# Altium PCB Thermostat_EEM.PCBDOC (part 2 of 10)
Units mm, origin at the board's own origin, x right, y up, seen from the top; angles counter-clockwise.
Board outline 162.48 x 100 mm, 4 copper layers (TOP, G1, L2, BOT), stack 1.55 mm thick; 903 components, 476 nets, 2667 pads, 1400 vias.
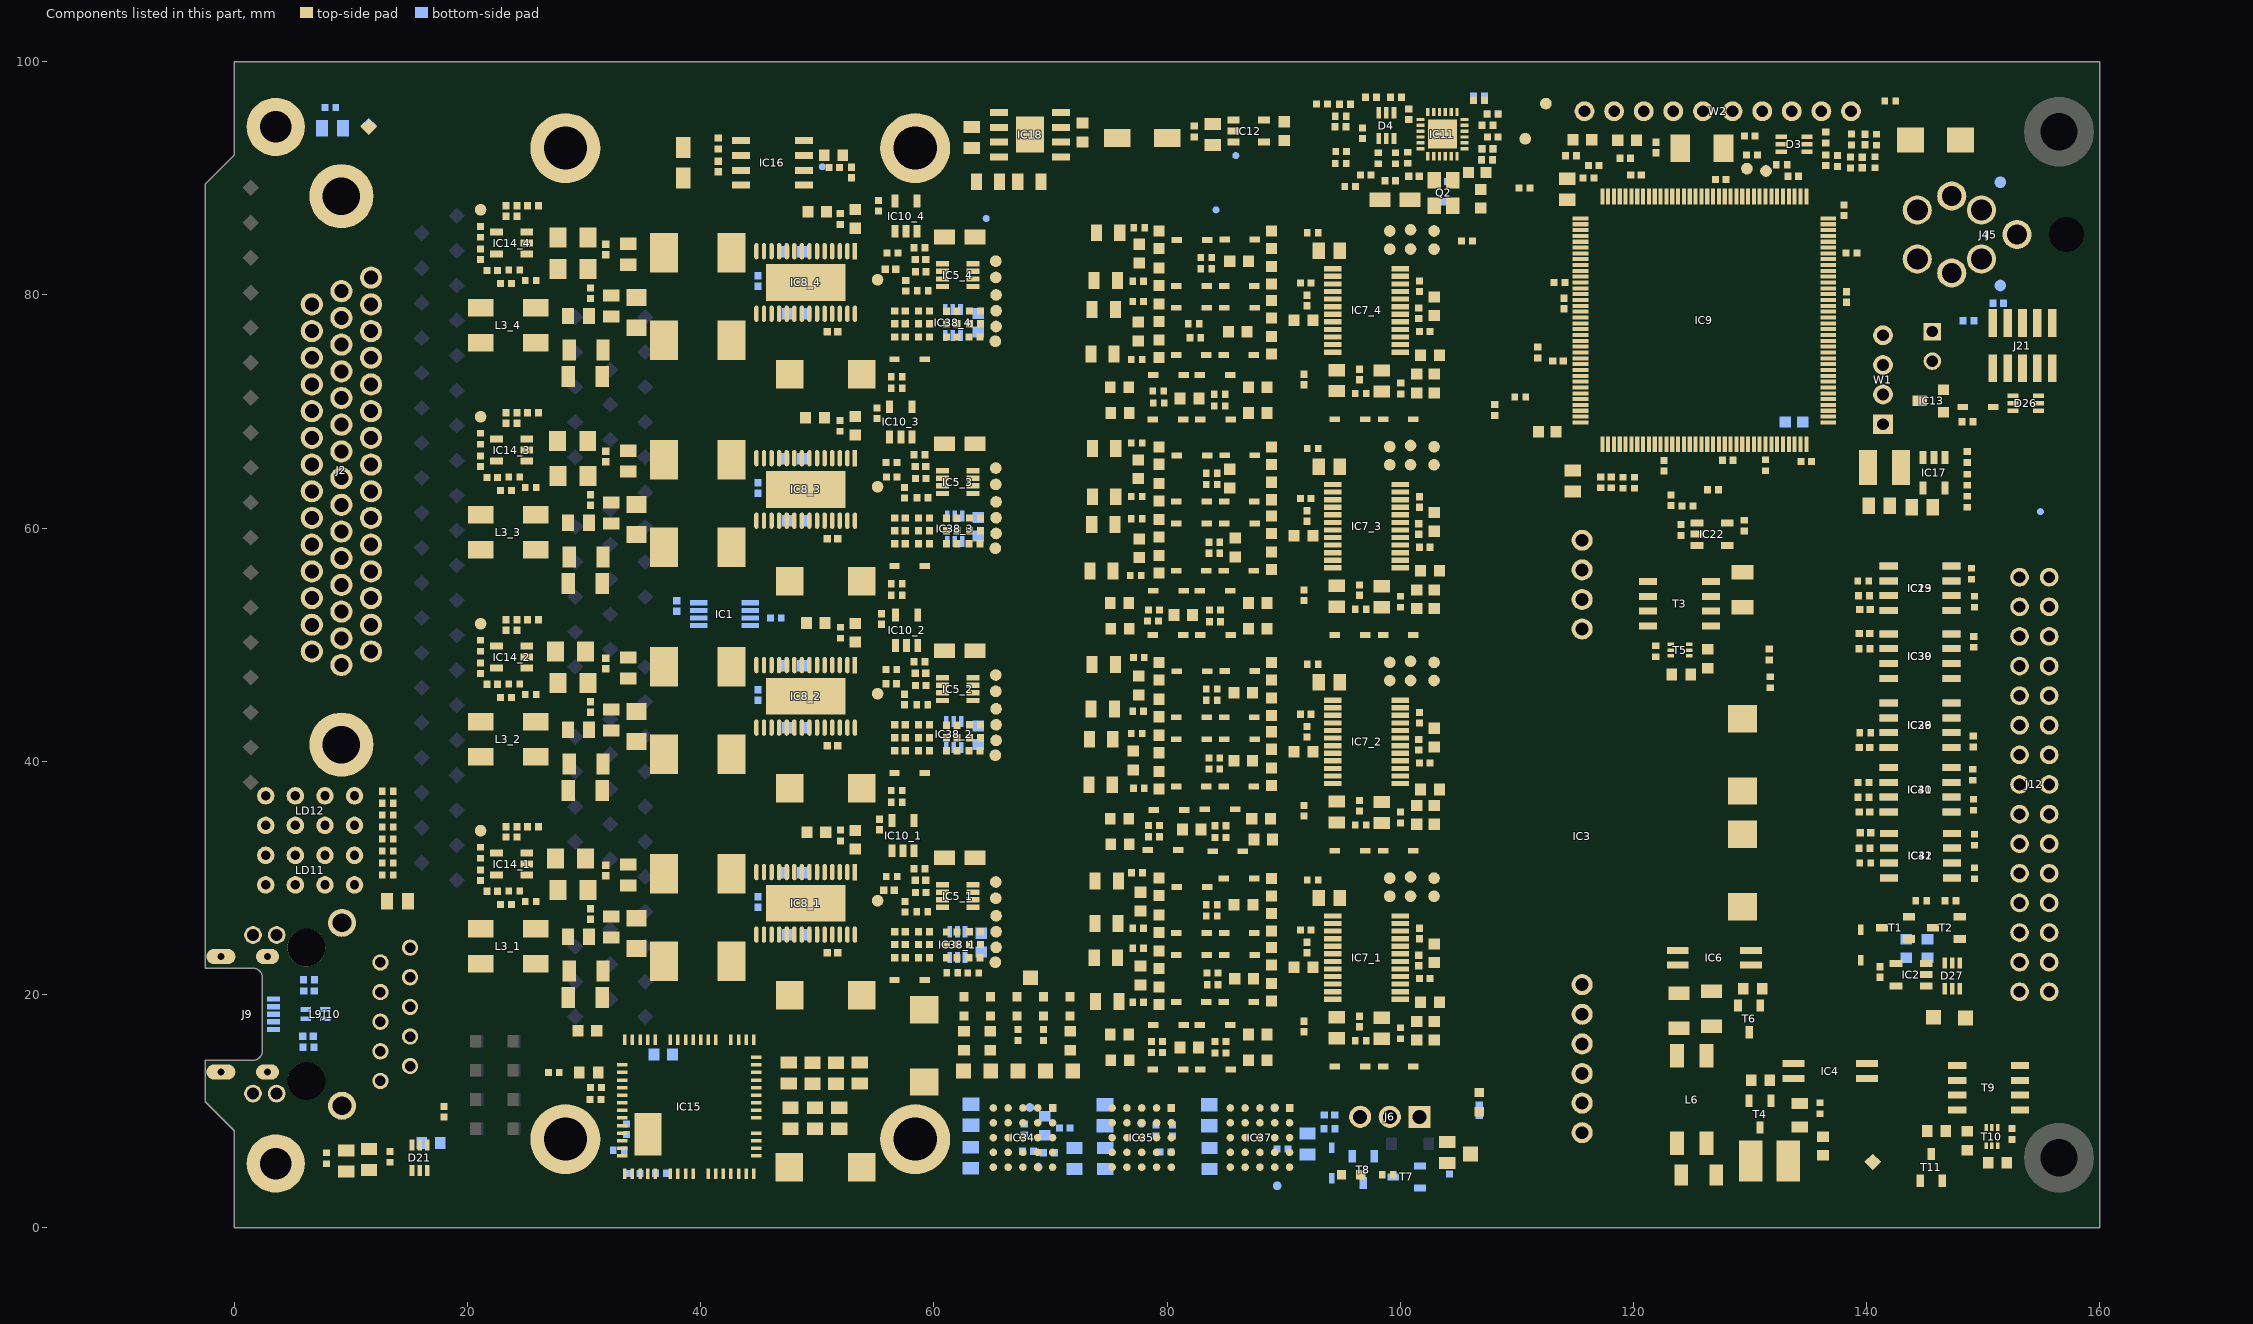
[diagram p4: the components of this part, seen from the top]

## Components (designator, comment, footprint, x,y, rotation, side; value= is the part's Value field where it differs from the comment) (continued)
D27 "DRTR5V0U4S-7" SOT65P210X110-6N 147.337,21.602 r270 top
D28 "BAT165" SOD2512X110N 94.121,5.559 r90 bottom
D29_1 "BAS416" SOD2512X110N 95.681,13.839 r0 top (schematic designator D29)
D29_2 "BAS416" SOD2512X110N 95.681,32.339 r0 top (schematic designator D29)
D29_3 "BAS416" SOD2512X110N 95.681,50.839 r0 top (schematic designator D29)
D29_4 "BAS416" SOD2512X110N 95.681,69.339 r0 top (schematic designator D29)
D30_1 "BAS416" SOD2512X110N 84.119,17.381 r180 top (schematic designator D30)
D30_2 "BAS416" SOD2512X110N 84.553,35.89 r180 top (schematic designator D30)
D30_3 "BAS416" SOD2512X110N 84.119,54.631 r180 top (schematic designator D30)
D30_4 "BAS416" SOD2512X110N 84.119,73.131 r180 top (schematic designator D30)
D31_1 "BAS416" SOD2512X110N 84.149,13.581 r180 top (schematic designator D31)
D31_2 "BAS416" SOD2512X110N 85.201,32.289 r180 top (schematic designator D31)
D31_3 "BAS416" SOD2512X110N 84.149,50.831 r180 top (schematic designator D31)
D31_4 "BAS416" SOD2512X110N 84.149,69.331 r180 top (schematic designator D31)
D32_1 "BAS416" SOD2512X110N 80.125,17.381 r180 top (schematic designator D32)
D32_2 "BAS416" SOD2512X110N 80.174,35.824 r180 top (schematic designator D32)
D32_3 "BAS416" SOD2512X110N 80.125,54.631 r180 top (schematic designator D32)
D32_4 "BAS416" SOD2512X110N 80.125,73.131 r180 top (schematic designator D32)
D33_1 "BAS416" SOD2512X110N 80.094,13.581 r180 top (schematic designator D33)
D33_2 "BAS416" SOD2512X110N 79.666,32.399 r180 top (schematic designator D33)
D33_3 "BAS416" SOD2512X110N 80.094,50.831 r180 top (schematic designator D33)
D33_4 "BAS416" SOD2512X110N 80.094,69.331 r180 top (schematic designator D33)
D34_1 "BAS416" SOD2512X110N 99.831,13.839 r0 top (schematic designator D34)
D34_2 "BAS416" SOD2512X110N 99.831,32.339 r0 top (schematic designator D34)
D34_3 "BAS416" SOD2512X110N 99.831,50.839 r0 top (schematic designator D34)
D34_4 "BAS416" SOD2512X110N 99.831,69.339 r0 top (schematic designator D34)
FB1 "220R@100MHz" INDC1005X55N 6.359,15.481 r180 bottom
FB2 "220R@100MHz" INDC1005X55N 6.411,21.268 r180 bottom
FTG1 "Use only in PCB" FIDUCIAL_TOP_S100-200 140.525,5.65 r90 top
FTG2 "Use only in PCB" FIDUCIAL_TOP_S100-200 11.53,94.498 r0 bottom
FTG3 "Use only in PCB" FIDUCIAL_TOP_S100-200 11.53,94.412 r90 top
FTG4 "Use only in PCB" FIDUCIAL_TOP_S100-200 140.525,5.65 r90 bottom
IC1 "LM75AIMM/NOPB" SOP65P490X109-8N 42.05,52.625 r180 bottom
IC2 "24AA02E48T-I/OT" SOT95P280X145-5N 143.819,21.702 r180 top
IC3 "AG5300" SILVERTEL_AG5300 115.6,33.559 r90 top locked
IC4 "ACPL-217-500E" SOIC127P700X242-4N 136.879,13.437 r180 top
IC5_1 "AD5680BRJZ-1500RL7" SOT65P280X145-8N 62.05,28.455 r0 top (schematic designator IC5)
IC5_2 "AD5680BRJZ-1500RL7" SOT65P280X145-8N 62.05,46.205 r0 top (schematic designator IC5)
IC5_3 "AD5680BRJZ-1500RL7" SOT65P280X145-8N 62.05,63.955 r0 top (schematic designator IC5)
IC5_4 "AD5680BRJZ-1500RL7" SOT65P280X145-8N 62.05,81.705 r0 top (schematic designator IC5)
IC6 "ACPL-217-500E" SOIC127P700X242-4N 126.933,23.152 r0 top
IC7_1 "AD7172-2BRUZ" SOP65P640X120-24N 97.121,23.173 r180 top (schematic designator IC7)
IC7_2 "AD7172-2BRUZ" SOP65P640X120-24N 97.121,41.673 r180 top (schematic designator IC7)
IC7_3 "AD7172-2BRUZ" SOP65P640X120-24N 97.121,60.173 r180 top (schematic designator IC7)
IC7_4 "AD7172-2BRUZ" SOP65P640X120-24N 97.121,78.673 r180 top (schematic designator IC7)
IC8_1 "MAX1968EUI+T" TSSOP28-EP 53.232,30.505 r90 top (schematic designator IC8)
IC8_2 "MAX1968EUI+T" TSSOP28-EP 53.232,48.255 r90 top (schematic designator IC8)
IC8_3 "MAX1968EUI+T" TSSOP28-EP 53.232,66.005 r90 top (schematic designator IC8)
IC8_4 "MAX1968EUI+T" TSSOP28-EP 53.232,83.755 r90 top (schematic designator IC8)
IC9 "STM32H743ZIT6" FP-LQFP144-1A-MFG 126.078,77.819 r270 top
IC10_1 "LMV321ILT" SOT95P280X145-5N 57.369,33.635 r90 top (schematic designator IC10)
IC10_2 "LMV321ILT" SOT95P280X145-5N 57.669,51.249 r90 top (schematic designator IC10)
IC10_3 "LMV321ILT" SOT95P280X145-5N 57.163,69.112 r90 top (schematic designator IC10)
IC10_4 "LMV321ILT" SOT95P280X145-5N 57.625,86.772 r90 top (schematic designator IC10)
IC11 "LAN8742A-CZ-TR" QFN24_0R5_4X4 103.62,93.8 r90 top
IC12 "ADP150AUJZ-3.3-R7" SOT95P280X90-5N 87.006,94.058 r0 top
IC13 "STM809SWX6F" SOT-23 146.588,69.956 r90 top
IC14_1 "LMV321ILT" SOT95P280X145-5N 23.785,31.195 r180 top (schematic designator IC14)
IC14_2 "LMV321ILT" SOT95P280X145-5N 23.785,48.945 r180 top (schematic designator IC14)
IC14_3 "LMV321ILT" SOT95P280X145-5N 23.785,66.695 r180 top (schematic designator IC14)
IC14_4 "LMV321ILT" SOT95P280X145-5N 23.785,84.445 r180 top (schematic designator IC14)
IC15 "MIC45212-1YMP-T1" MICROCHIP_QFN64_12X12 39.026,10.395 r90 top
IC16 "ADR433BRZ" SOIC127P600X175-8N 46.161,91.328 r0 top
IC17 "TLV62565DBVT" SOT95P280X145-5N 145.787,64.754 r270 top
IC18 "ADP7102ARDZ-5.0-R7" SOIC127P600X175-9N-R241X309 68.25,93.75 r180 top
IC19 "FIN1028MX" SOIC127P600X175-8N 144.594,54.846 r180 top
IC22 "LT6106CS5#TRMPBF" SOT95P280X145-5N 126.75,59.481 r0 top
IC23 "FIN1027AMX" SOIC127P600X175-8N 144.594,54.846 r0 bottom
IC29 "FIN1028MX" SOIC127P600X175-8N 144.594,43.098 r180 top
IC30 "FIN1027AMX" SOIC127P600X175-8N 144.594,49.032 r0 top
IC31 "FIN1028MX" SOIC127P600X175-8N 144.594,37.561 r180 top
IC32 "FIN1027AMX" SOIC127P600X175-8N 144.625,31.925 r0 top
IC34 "LTM4623EV#PBF" LGA25C127P5X5_625X625X192 67.642,7.736 r270 top
IC35 "LTM4623EV#PBF" LGA25C127P5X5_625X625X192 77.83,7.736 r270 top
IC36 "FIN1027AMX" SOIC127P600X175-8N 144.594,43.098 r0 bottom
IC37 "LTM4623EV#PBF" LGA25C127P5X5_625X625X192 87.968,7.736 r270 top
IC38_1 "74HCT2G34GW" SOT65P210X110-6N 62.025,24.286 r90 bottom (schematic designator IC38)
IC38_2 "74HCT2G34GW" SOT65P210X110-6N 61.703,42.308 r90 bottom (schematic designator IC38)
IC38_3 "74HCT2G34GW" SOT65P210X110-6N 61.8,59.949 r90 bottom (schematic designator IC38)
IC38_4 "74HCT2G34GW" SOT65P210X110-6N 61.63,77.639 r90 bottom (schematic designator IC38)
IC39 "FIN1028MX" SOIC127P600X175-8N 144.594,49.031 r180 bottom
IC40 "FIN1027AMX" SOIC127P600X175-8N 144.594,37.561 r0 bottom
IC41 "FIN1028MX" SOIC127P600X175-8N 144.625,31.925 r180 bottom
J2 "D-Sub" AMPHENOL_ICD44S13E6GX00LF 9.19,64.967 r90 top locked
J4 "Jack" SWITCHCRAFT_L712RA 147.297,81.885 r180 top
J5 "Mini-Fit Jr.™" MOLEX_39-30-0040 147.091,85.185 r270 top
J6 "KK®" MOLEX_22-27-2031 99.103,9.517 r180 top
J9 "USB B" MOLEX_47642-1001 -1.144,18.312 r90 bottom
J10 "RJ45" ABRACON_ARJM11C7-114-BA-EW2 6.189,18.31 r270 top locked
J12 "" 3M_N2530-6002RB 154.384,38.018 r270 top locked
J21 "Header 10" HARWIN_M50-3600542 153.364,75.667 r180 top
JP2 "1798942 (goldpin 2x 2.54)" jump 145.631,76.861 r0 top
L1 "10uH" IND_MURATA-PS_8400 131.672,5.74 r180 top
L2_1 "6.8uH" INDM6965X300N 39.75,22.857 r180 top (schematic designator L2)
L2_2 "6.8uH" INDM6965X300N 39.75,40.607 r180 top (schematic designator L2)
L2_3 "6.8uH" INDM6965X300N 39.75,58.357 r180 top (schematic designator L2)
L2_4 "6.8uH" INDM6965X300N 39.75,76.107 r180 top (schematic designator L2)
L3_1 "1.8uH" IND_PULSE_PA4339 23.5,24.15 r180 top (schematic designator L3)
L3_2 "1.8uH" IND_PULSE_PA4339 23.5,41.9 r180 top (schematic designator L3)
L3_3 "1.8uH" IND_PULSE_PA4339 23.5,59.65 r180 top (schematic designator L3)
L3_4 "1.8uH" IND_PULSE_PA4339 23.5,77.4 r180 top (schematic designator L3)
L4_1 "6.8uH" INDM6965X300N 39.75,30.378 r180 top (schematic designator L4)
L4_2 "6.8uH" INDM6965X300N 39.75,48.128 r180 top (schematic designator L4)
L4_3 "6.8uH" INDM6965X300N 39.75,65.878 r180 top (schematic designator L4)
L4_4 "6.8uH" INDM6965X300N 39.75,83.628 r180 top (schematic designator L4)
L5 "220R@100MHz" INDC1005X55N 114.653,91.951 r180 top
L6 "2x1mH" IND_WURTH_WE-SL2 125,11 r90 top
L7 "220R@100MHz" INDC1005X55N 97.031,90.3 r180 top
L8 "2.2uH" IND_MURATA_LQH44PN_P0 141.536,65.199 r180 top
L9 "90R@100MHz" IND_MURATA_DLW21S 6.975,18.322 r0 bottom
LD1 "Red" LED_KINGBRIGHT_KPH-1608SURCK 95.793,4.553 r180 top
LD2 "Green" LED_KINGBRIGHT_KPH-1608CGCK 106.772,10.778 r270 top
LD3 "Green" LED_KINGBRIGHT_KPH-1608CGCK 64.857,18.984 r270 top
LD4 "Green" LED_KINGBRIGHT_KPH-1608CGCK 69.399,18.984 r270 top
LD6 "Green" LED_KINGBRIGHT_KPH-1608CGCK 62.587,18.984 r270 top
LD9 "Green" LED_KINGBRIGHT_KPH-1608CGCK 67.128,18.984 r270 top
LD10 "Green" LED_KINGBRIGHT_KPH-1608CGCK 71.67,18.984 r270 top
LD11 "Green/Green/HeRed/HeRed" LED_BIVAR_H485CHHGGDL 6.509,30.676 r0 top
LD12 "Green/Green/HeRed/HeRed" LED_BIVAR_H485CHHGGDL 6.509,35.782 r0 top
Q1 "8MHz" XTAL_TXC_7A 125.867,92.584 r180 top
Q2 "25MHz" XTAL_EPSON_TSX-3225 103.72,88.75 r180 top
R1 "82k" RESC1608X55N 143.394,23.965 r270 bottom
R2 "82k" RESC1608X55N 145.218,23.965 r270 bottom
R3 "2k4" RESC1005X40N 147.187,28.04 r180 top
R4 "2k4" RESC1005X40N 144.688,28.04 r0 top
R5 "51k" RESC1005X40N 46.45,52.3 r180 bottom
R6 "1k" RESC1005X40N 98.926,4.553 r0 top
R7 "2k2" RESC1005X40N 117.2,63.93 r270 top
R8 "2k2" RESC1005X40N 118.1,63.93 r270 top
R9 "10k" RESC1005X40N 110.285,71.247 r180 top
R10 "1k3" RESC1608X55N 62.579,16.036 r90 top
R11 "330" RESC1005X40N 95.7,89.3 r180 top
R12 "49R9" RESC1005X40N 97.491,96.96 r0 top
R13 "10k" RESC1005X40N 104.215,5.089 r270 bottom
R14 "82k" RESC1608X55N 136.25,7.022 r270 top
R15 "49R9" RESC1005X40N 99.636,96.952 r180 top
R16 "220" RESC1608X55N 130.234,20.502 r0 top
R17 "330" RESC1005X40N 93.294,96.374 r180 top
R18 "49R9" RESC1005X40N 98.106,91.725 r90 top
R19 "49R9" RESC1005X40N 99.59,91.725 r90 top
R20 "10k" RESC1005X40N 107.476,92.55 r180 bottom
R21 "10k" RESC1005X40N 107.445,91.575 r180 bottom
R22 "10k" RESC1005X40N 107.915,95.522 r180 bottom
R23 "33" RESC1005X40N 107.476,92.55 r180 top
R24 "33" RESC1005X40N 107.47,91.6 r180 top
R25 "10k" RESC1005X40N 107.476,94.55 r0 top
R26 "12k1" RESC1005X40N 100.645,91.775 r270 top
R27 "33" RESC1005X40N 107.94,95.522 r180 top
R28 "10k" RESC1005X40N 95.258,96.35 r0 top
R29 "33" RESC1005X40N 106.748,96.695 r180 top
R30 "33k" RESC1005X40N 131.641,49.163 r90 top
R31 "10k" RESC1005X40N 131.734,46.786 r90 top
R32 "10k" RESC1005X40N 113.653,81.069 r0 top
R33 "10k" RESC1005X40N 148.731,77.796 r180 bottom
R34 "10k" RESC1005X40N 131.328,65.399 r270 top
R35 "20k" RESC1005X40N 136,10.25 r90 top
R36_1 "33" RESC1005X40N 96.62,16.045 r0 top (schematic designator R36)
R36_2 "33" RESC1005X40N 96.62,34.545 r0 top (schematic designator R36)
R36_3 "33" RESC1005X40N 96.62,53.045 r0 top (schematic designator R36)
R36_4 "33" RESC1005X40N 96.62,71.545 r0 top (schematic designator R36)
R37_1 "33" RESC1005X40N 100.021,16.686 r90 top (schematic designator R37)
R37_2 "33" RESC1005X40N 100.021,35.186 r90 top (schematic designator R37)
R37_3 "33" RESC1005X40N 100.021,53.686 r90 top (schematic designator R37)
R37_4 "33" RESC1005X40N 100.049,71.984 r90 top (schematic designator R37)
R38_1 "33" RESC1005X40N 92.503,29.834 r180 top (schematic designator R38)
R38_2 "33" RESC1005X40N 92.503,48.334 r180 top (schematic designator R38)
R38_3 "33" RESC1005X40N 92.503,66.834 r180 top (schematic designator R38)
R38_4 "33" RESC1005X40N 92.503,85.334 r180 top (schematic designator R38)
R39 "6k8" RESC1005X40N 67.209,16.526 r90 top
R40_1 "51" RESC1005X40N 77.43,30.443 r0 top (schematic designator R40)
R40_2 "51" RESC1005X40N 77.583,48.913 r0 top (schematic designator R40)
R40_3 "51" RESC1005X40N 77.394,67.306 r0 top (schematic designator R40)
R40_4 "51" RESC1005X40N 77.618,85.775 r0 top (schematic designator R40)
R41_1 "2k7" RESC1005X40N 83.83,27.708 r0 top (schematic designator R41)
R41_2 "2k7" RESC1005X40N 83.83,46.208 r0 top (schematic designator R41)
R41_3 "2k7" RESC1005X40N 83.83,64.708 r0 top (schematic designator R41)
R41_4 "2k7" RESC1005X40N 83.36,83.208 r0 top (schematic designator R41)
R42_1 "51" RESC1005X40N 77.52,25.696 r0 top (schematic designator R42)
R42_2 "51" RESC1005X40N 77.519,44.298 r0 top (schematic designator R42)
R42_3 "51" RESC1005X40N 77.394,62.713 r0 top (schematic designator R42)
R42_4 "51" RESC1005X40N 77.519,81.183 r0 top (schematic designator R42)
R43_1 "2k7" RESC1005X40N 83.83,26.74 r0 top (schematic designator R43)
R43_2 "2k7" RESC1005X40N 83.83,45.24 r0 top (schematic designator R43)
R43_3 "2k7" RESC1005X40N 83.83,63.74 r0 top (schematic designator R43)
R43_4 "2k7" RESC1005X40N 83.36,82.24 r0 top (schematic designator R43)
R44_1 "5k" RESC2013X64N 74.81,26.084 r180 top (schematic designator R44)
R44_2 "5k" RESC2013X64N 74.484,44.494 r180 top (schematic designator R44)
R44_3 "5k" RESC2013X64N 74.601,62.693 r180 top (schematic designator R44)
R44_4 "5k" RESC2013X64N 74.745,81.247 r180 top (schematic designator R44)
R46_1 "51" RESC1005X40N 77.52,23.978 r0 top (schematic designator R46)
R46_2 "51" RESC1005X40N 77.399,42.387 r0 top (schematic designator R46)
R46_3 "51" RESC1005X40N 77.403,60.814 r0 top (schematic designator R46)
R46_4 "51" RESC1005X40N 77.519,79.441 r0 top (schematic designator R46)
R47_1 "2k7" RESC1005X40N 83.901,21.852 r0 top (schematic designator R47)
R47_2 "2k7" RESC1005X40N 84.058,40.292 r0 top (schematic designator R47)
R47_3 "2k7" RESC1005X40N 84.058,58.792 r0 top (schematic designator R47)
R47_4 "2k7" RESC1005X40N 82.29,77.532 r0 top (schematic designator R47)
R48_1 "51" RESC1005X40N 77.52,19.344 r0 top (schematic designator R48)
R48_2 "51" RESC1005X40N 77.583,37.694 r0 top (schematic designator R48)
R48_3 "51" RESC1005X40N 77.316,55.947 r0 top (schematic designator R48)
R48_4 "51" RESC1005X40N 77.394,74.469 r0 top (schematic designator R48)
R49_1 "2k7" RESC1005X40N 83.91,20.842 r0 top (schematic designator R49)
R49_2 "2k7" RESC1005X40N 84.058,39.342 r0 top (schematic designator R49)
R49_3 "2k7" RESC1005X40N 84.058,57.842 r0 top (schematic designator R49)
R49_4 "2k7" RESC1005X40N 82.428,76.342 r0 top (schematic designator R49)
R50_1 "5k" RESC2013X64N 74.755,23.157 r180 top (schematic designator R50)
R50_2 "5k" RESC2013X64N 74.345,41.898 r180 top (schematic designator R50)
R50_3 "5k" RESC2013X64N 74.539,60.33 r180 top (schematic designator R50)
R50_4 "5k" RESC2013X64N 74.581,78.744 r180 top (schematic designator R50)
R51_1 "0R1" RESC3216X65N 30.098,19.744 r0 top (schematic designator R51)
R51_2 "0R1" RESC3216X65N 30.098,37.494 r0 top (schematic designator R51)
R51_3 "0R1" RESC3216X65N 30.098,55.244 r0 top (schematic designator R51)
R51_4 "0R1" RESC3216X65N 30.098,72.994 r0 top (schematic designator R51)
R52_1 "0R1" RESC3216X65N 30.172,22.029 r0 top (schematic designator R52)
R52_2 "0R1" RESC3216X65N 30.172,39.779 r0 top (schematic designator R52)
R52_3 "0R1" RESC3216X65N 30.172,57.529 r0 top (schematic designator R52)
R52_4 "0R1" RESC3216X65N 30.172,75.279 r0 top (schematic designator R52)
R53 "10k" RESC1005X40N 132.718,91.175 r0 top
R54 "1k3" RESC1608X55N 71.711,16.036 r90 top
R55_1 "10k" RESC1005X40N 63.495,23.157 r180 top (schematic designator R55)
R55_2 "10k" RESC1005X40N 63.495,40.907 r180 top (schematic designator R55)
R55_3 "10k" RESC1005X40N 63.495,58.657 r180 top (schematic designator R55)
R55_4 "10k" RESC1005X40N 63.495,76.407 r180 top (schematic designator R55)
R56_1 "10k" RESC1005X40N 59.15,23.157 r180 top (schematic designator R56)
R56_2 "10k" RESC1005X40N 59.15,40.907 r180 top (schematic designator R56)
R56_3 "10k" RESC1005X40N 59.15,58.657 r180 top (schematic designator R56)
R56_4 "10k" RESC1005X40N 59.15,76.407 r180 top (schematic designator R56)
R57_1 "10k" RESC1005X40N 63.525,24.286 r180 top (schematic designator R57)
R57_2 "10k" RESC1005X40N 63.525,42.036 r180 top (schematic designator R57)
R57_3 "10k" RESC1005X40N 63.525,59.786 r180 top (schematic designator R57)
R57_4 "10k" RESC1005X40N 63.525,77.536 r180 top (schematic designator R57)
R58_1 "10k" RESC1005X40N 59.15,24.286 r180 top (schematic designator R58)
R58_2 "10k" RESC1005X40N 59.15,42.036 r180 top (schematic designator R58)
R58_3 "10k" RESC1005X40N 59.15,59.786 r180 top (schematic designator R58)
R58_4 "10k" RESC1005X40N 59.15,77.536 r180 top (schematic designator R58)
R59_1 "10k" RESC1005X40N 63.525,25.383 r180 top (schematic designator R59)
R59_2 "10k" RESC1005X40N 63.525,43.133 r180 top (schematic designator R59)
R59_3 "10k" RESC1005X40N 63.525,60.883 r180 top (schematic designator R59)
R59_4 "10k" RESC1005X40N 63.525,78.633 r180 top (schematic designator R59)
R60_1 "10k" RESC1005X40N 59.15,25.383 r180 top (schematic designator R60)
R60_2 "10k" RESC1005X40N 59.15,43.133 r180 top (schematic designator R60)
R60_3 "10k" RESC1005X40N 59.15,60.883 r180 top (schematic designator R60)
R60_4 "10k" RESC1005X40N 59.15,78.633 r180 top (schematic designator R60)
R61 "10k" RESC1005X40N 130.164,92.014 r0 top
R62 "10k" RESC1005X40N 148.656,69.121 r0 top
R63 "10k" RESC1005X40N 138.7,83.6 r0 top
R64 "10" RESC2012X60N 134.263,9.652 r270 top
R65 "1k3" RESC1608X55N 126.365,48.8 r90 top
R66 "82k" RESC1608X55N 130.883,12.647 r0 top
R67 "10k" RESC1005X40N 111.793,75.069 r270 top
R68 "82k" RESC1608X55N 124.1,47.458 r180 top
R69 "0R005" RESC3216X80N 129.35,54.711 r90 top
R70 "33" RESC1005X40N 110.651,89.175 r180 top
R71_1 "33" RESC1005X40N 58.775,30.8 r180 top (schematic designator R71)
R71_2 "33" RESC1005X40N 58.775,48.55 r180 top (schematic designator R71)
R71_3 "33" RESC1005X40N 58.775,66.3 r180 top (schematic designator R71)
R71_4 "33" RESC1005X40N 58.775,84.05 r180 top (schematic designator R71)
R72_1 "10k" RESC1005X40N 23.772,34.404 r180 top (schematic designator R72)
R72_2 "10k" RESC1005X40N 23.772,52.154 r180 top (schematic designator R72)
R72_3 "10k" RESC1005X40N 23.772,69.904 r180 top (schematic designator R72)
R72_4 "10k" RESC1005X40N 23.772,87.654 r180 top (schematic designator R72)
R73 "24k" RESC1608X55N 16.875,7.275 r180 bottom
R74_1 "10k" RESC1005X40N 23.774,33.504 r180 top (schematic designator R74)
R74_2 "10k" RESC1005X40N 23.774,51.254 r180 top (schematic designator R74)
R74_3 "10k" RESC1005X40N 23.774,69.004 r180 top (schematic designator R74)
R74_4 "10k" RESC1005X40N 23.774,86.754 r180 top (schematic designator R74)
R75 "10k" RESC1005X40N 126.828,63.294 r180 top
R76_1 "20k" RESC1005X40N 25.628,34.404 r180 top (schematic designator R76)
R76_2 "20k" RESC1005X40N 25.628,52.154 r180 top (schematic designator R76)
R76_3 "20k" RESC1005X40N 25.628,69.904 r180 top (schematic designator R76)
R76_4 "20k" RESC1005X40N 25.628,87.654 r180 top (schematic designator R76)
R77_1 "10k" RESC1005X40N 21.11,32.165 r270 top (schematic designator R77)
R77_2 "10k" RESC1005X40N 21.11,49.915 r270 top (schematic designator R77)
R77_3 "10k" RESC1005X40N 21.11,67.665 r270 top (schematic designator R77)
R77_4 "10k" RESC1005X40N 21.11,85.415 r270 top (schematic designator R77)
R78_1 "20k" RESC1005X40N 25.424,27.981 r180 top (schematic designator R78)
R78_2 "20k" RESC1005X40N 25.424,45.731 r180 top (schematic designator R78)
R78_3 "20k" RESC1005X40N 25.424,63.481 r180 top (schematic designator R78)
R78_4 "20k" RESC1005X40N 25.424,81.231 r180 top (schematic designator R78)
R79_1 "10k" RESC1005X40N 23.304,27.735 r0 top (schematic designator R79)
R79_2 "10k" RESC1005X40N 23.304,45.485 r0 top (schematic designator R79)
R79_3 "10k" RESC1005X40N 23.304,63.235 r0 top (schematic designator R79)
R79_4 "10k" RESC1005X40N 23.304,80.985 r0 top (schematic designator R79)
R80_1 "10k" RESC1005X40N 24.01,28.882 r0 top (schematic designator R80)
R80_2 "10k" RESC1005X40N 24.01,46.632 r0 top (schematic designator R80)